# EAGLE board Mk4 Final a Panel score 2x5 (EAGLE 9.0.1), part 10 of 29
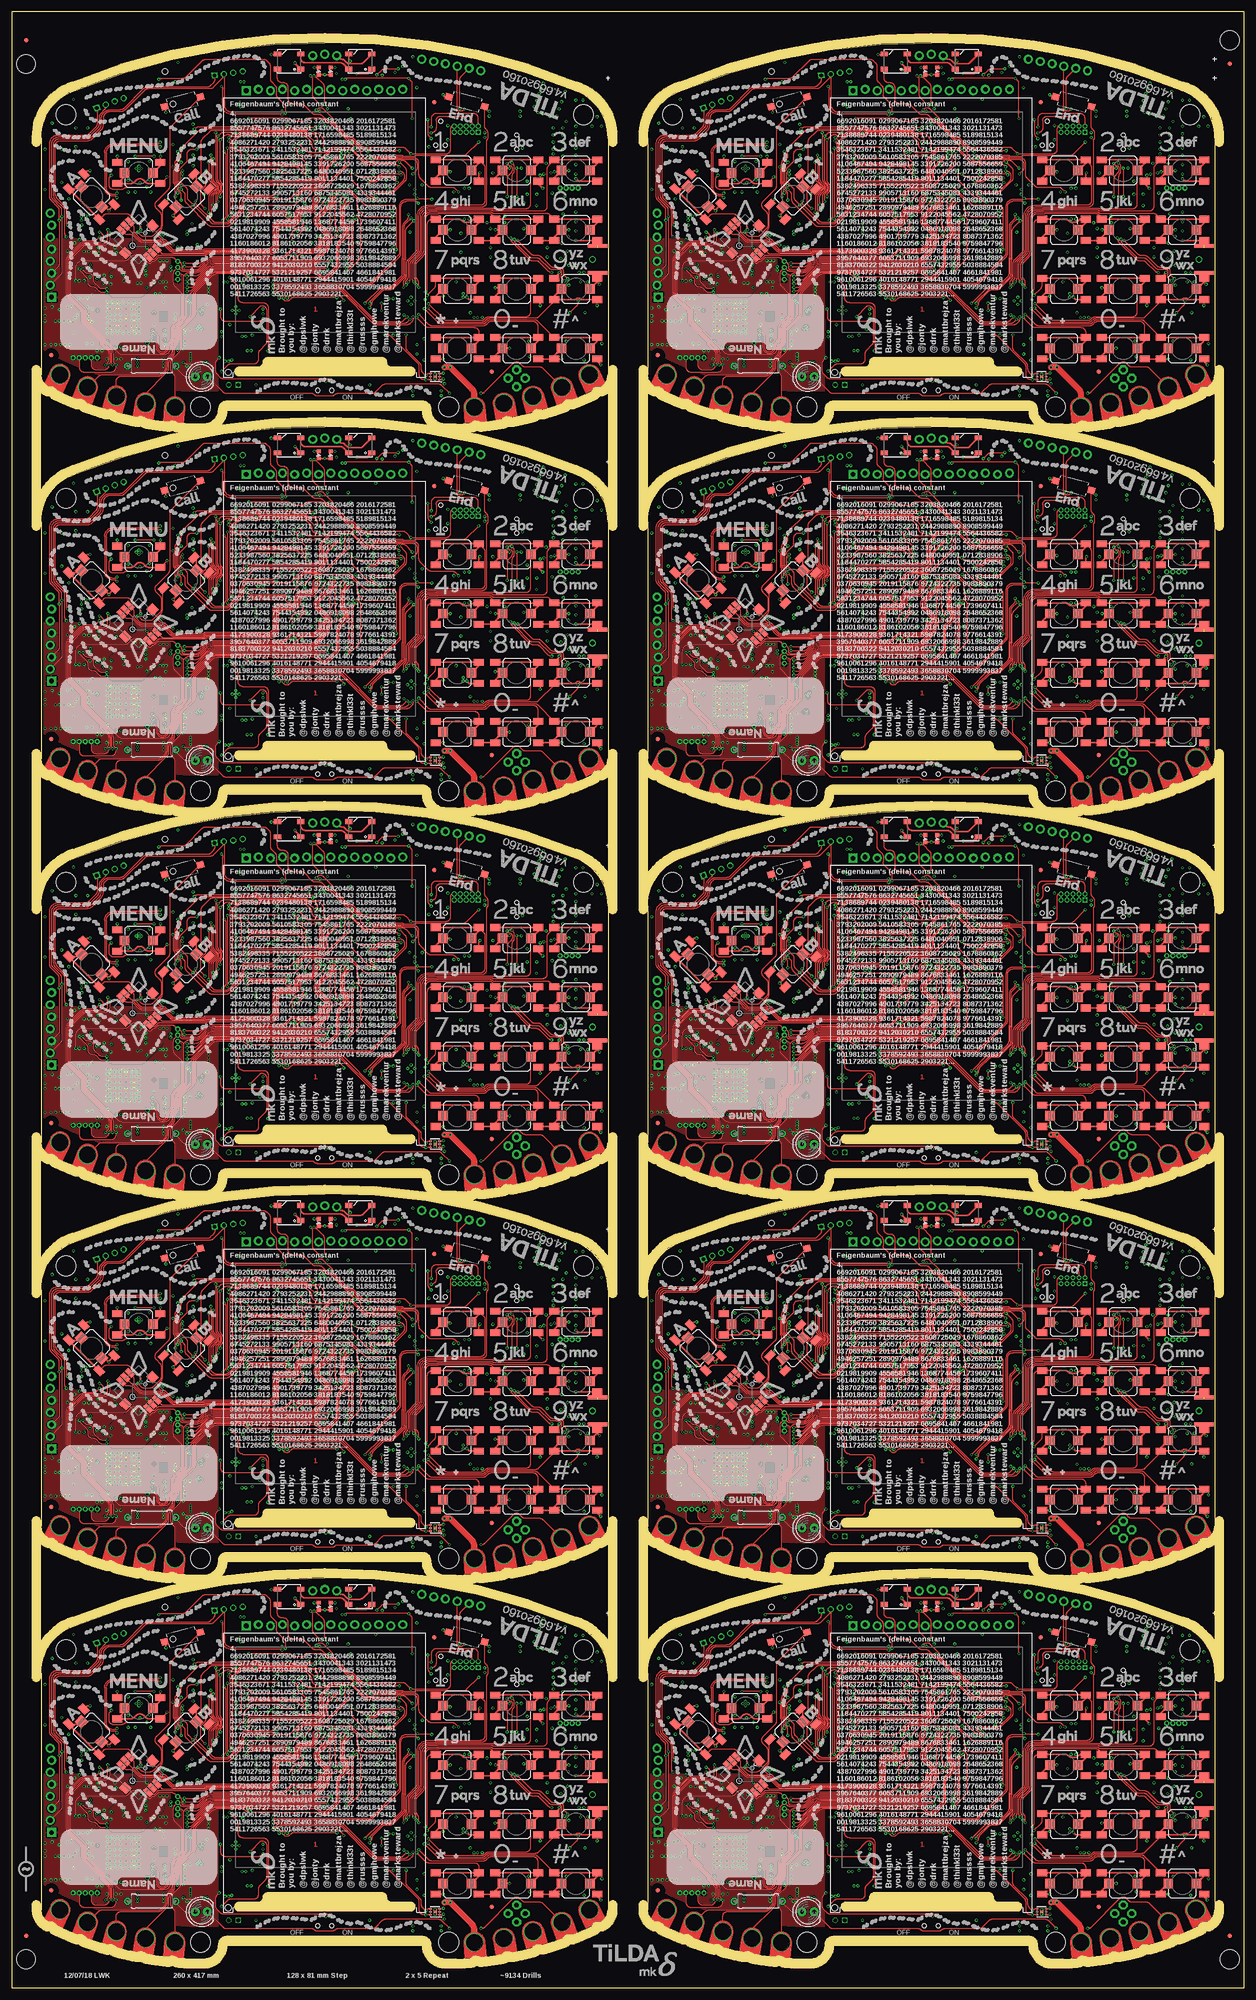
[diagram p0: board, top side]
## Tracks (layer width: path | path; a pad name or v marks a point on that pad's centre or on a via) (continued)
BTN_34  (via drill 0.3) (continued)
  Top 0.2: S54.B1 111.04,108.66 arc45 110.34,108.95 100.95,108.95 arc45 100.25,108.66 100.08,108.49 arc-45 99.38,108.2 90.61,108.2 arc-45 89.91,108.49 v87.05,111.35
  Top 0.3: S54.2 123.26,104.26 arc45 123.55,104.96 S54.B2 S54.B1
  Bottom 0.15: IC49.12 86.65,111.75 v87.05,111.35
BTN_35  (via drill 0.3)
  Top 0.2: S44.B1 88.7,130.25 arc90 87.7,129.25 87.7,118.2 87.7,118 87.7,115.71 arc-45 87.41,115.01 v87.3,114.9
  Top 0.3: S44.2 98.55,129.55 S44.B2 97.76,130.25 arc45 97.06,129.96 96.89,129.8 arc-45 96.54,129.65 95.46,129.65 arc-45 95.11,129.8 94.94,129.96 arc45 94.24,130.25 S44.B1
  Bottom 0.15: IC49.7 86.65,114.25 v87.3,114.9
BTN_36  (via drill 0.3)
  Top 0.2: v87.63,114.17 89.16,115.7 arc45 89.45,116.4 S45.B1
  Top 0.3: S45.2 98.55,117.05 S45.B2 S45.B1
  Bottom 0.15: IC49.8 86.97,113.75 87.02,113.8 arc45 87.43,113.97 v87.63,114.17
BTN_37  (via drill 0.3)
  Top 0.2: S64.B2 227.61,141.69 arc-45 227.9,140.99 227.9,134.25 arc-90 226.9,133.25 217.31,133.25 217.24,133.18 215.8,133.18 arc90 213.55,130.93 213.55,124.09 arc-45 213.26,123.38 211.62,121.74 arc45 211.32,121.04 211.32,118.31 arc-45 211.03,117.61 210.94,117.52 arc45 210.65,116.81 v210.65,115.85
  Top 0.3: S64.2 226.55,142.05 S64.B2 S64.B1
  Bottom 0.15: IC67.1 211,115.42 arc45 210.94,115.56 v210.65,115.85
BTN_38  (via drill 0.3)
  Top 0.2: S68.2 237.5,133.5 arc-90 236.5,132.5 229.49,132.5 229.44,132.55 217.6,132.55 217.53,132.47 216,132.47 arc90 214.25,130.72 214.25,124.01 arc-45 213.81,122.95 212.39,121.53 arc45 212.1,120.82 212.1,117.81 arc-45 211.81,117.11 v211.7,117
  Top 0.3: S68.2 239.05,142.05 S68.B2 S68.B1
  Bottom 0.15: IC67.3 212,116.29 arc45 v211.71,116.99 v211.7,117
BTN_39  (via drill 0.3)
  Top 0.2: S72.B1 241.29,141.59 arc45 241,140.89 241,133 arc-90 240,132 229.57,132 arc-45 229.43,132.06 229.35,132.14 arc45 229.21,132.2 217.75,132.2 217.67,132.12 216.1,132.12 arc90 214.6,130.62 214.6,123.97 arc-45 214.09,122.73 212.79,121.43 arc45 212.5,120.73 212.5,117.71 arc45 v212.79,117.01 v212.8,117
  Top 0.3: S72.2 251.55,142.05 S72.B2 S72.B1
  Bottom 0.15: IC67.4 212.5,116.29 arc-45 v212.79,116.99 v212.8,117
BTN_40  (via drill 0.3)
  Top 0.2: S67.B2 226.55,106.4 arc90 225.55,107.4 215.91,107.4 arc-45 215.21,107.69 v213.4,109.5
  Top 0.3: S67.2 226.55,104.55 S67.B2 S67.B1
  Bottom 0.15: IC67.14 213,110.31 arc45 213.15,109.95 213.26,109.84 arc-45 v213.4,109.5
BTN_41  (via drill 0.3)
  Top 0.2: S69.B1 229.95,130.55 229.29,131.21 arc45 228.59,131.5 218.03,131.5 217.96,131.43 216.35,131.43 arc90 215.35,130.43 215.35,123.93 arc-45 214.69,122.34 213.59,121.24 arc45 213.3,120.54 213.3,118.19 arc45 213.59,117.48 arc-45 213.85,116.86 v213.85,115.85
  Top 0.3: S69.2 239.05,129.55 S69.B2 S69.B1
  Bottom 0.15: IC67.6 213.5,115.29 arc-45 213.65,115.65 v213.85,115.85
BTN_42  (via drill 0.3)
  Top 0.2: S70.2 237.5,110.7 arc-90 236.5,109.7 228.71,109.7 arc45 228.01,109.41 227.79,109.19 arc-45 227.09,108.9 221.7,108.9 219.81,108.9 arc-45 219.11,109.19 v215.9,112.4
  Top 0.3: S70.2 239.05,117.05 S70.B2 S70.B1
  Bottom 0.15: IC67.10 215.01,112.75 215.03,112.72 215.16,112.72 arc-45 215.87,112.43 v215.9,112.4
BTN_43  (via drill 0.3)
  Top 0.2: S71.B2 239.05,107.6 arc90 238.05,108.6 229.11,108.6 arc45 228.41,108.31 228.19,108.09 arc-45 227.49,107.8 216.61,107.8 arc-45 215.91,108.09 v213.85,110.15
  Top 0.3: S71.2 239.05,104.55 S71.B2 S71.B1 | S71.B1 229.75,105.25 229.5,105 229.7,105 S71.B1
  Bottom 0.15: IC67.13 213.5,110.5 v213.85,110.15
BTN_44  (via drill 0.3)
  Top 0.2: S73.B1 241.49,131.21 arc45 240.79,131.5 229.58,131.5 arc-45 229.44,131.56 arc45 228.73,131.85 217.89,131.85 217.81,131.78 216.25,131.78 arc90 215,130.53 215,123.97 arc-45 214.41,122.56 213.19,121.34 arc45 212.9,120.63 212.9,118.09 arc45 213.19,117.39 arc-45 213.35,117.01 213.35,116.77 213.3,116.72 v213.3,116.4
  Top 0.3: S73.2 251.55,129.55 S73.B2 S73.B1
  Bottom 0.15: IC67.5 213,115.69 arc-45 v213.29,116.39 v213.3,116.4
BTN_45  (via drill 0.3)
  Top 0.2: v215.8,111.5 218.46,108.84 arc45 219.16,108.55 227.23,108.55 arc45 227.94,108.84 228.1,109.01 arc-45 228.81,109.3 238.39,109.3 arc45 239.09,109.59 242.45,112.95 S74.B2
  Top 0.3: S74.2 242.45,113.95 S74.B2 246.9,113.25 247.25,113.6 247.75,113.6 248.1,113.25 S74.B1
  Bottom 0.15: IC67.11 214.64,112.25 arc-45 215.34,111.96 v215.8,111.5
BTN_46  (via drill 0.3)
  Top 0.2: S75.B1 239.04,108.66 arc45 238.34,108.95 228.95,108.95 arc45 228.25,108.66 228.08,108.49 arc-45 227.38,108.2 218.61,108.2 arc-45 217.91,108.49 v215.05,111.35
  Top 0.3: S75.2 251.26,104.26 arc45 251.55,104.96 S75.B2 S75.B1
  Bottom 0.15: IC67.12 214.65,111.75 v215.05,111.35
BTN_47  (via drill 0.3)
  Top 0.2: S65.B1 216.7,130.25 arc90 215.7,129.25 215.7,118.2 215.7,118 215.7,115.71 arc-45 215.41,115.01 v215.3,114.9
  Top 0.3: S65.2 226.55,129.55 S65.B2 225.76,130.25 arc45 225.06,129.96 224.9,129.8 arc-45 224.54,129.65 223.46,129.65 arc-45 223.1,129.8 222.94,129.96 arc45 222.24,130.25 S65.B1
  Bottom 0.15: IC67.7 214.65,114.25 v215.3,114.9
BTN_48  (via drill 0.3)
  Top 0.2: v215.63,114.17 217.16,115.7 arc45 217.45,116.4 S66.B1
  Top 0.3: S66.2 226.55,117.05 S66.B2 S66.B1
  Bottom 0.15: IC67.8 214.97,113.75 215.02,113.8 arc45 215.43,113.97 v215.63,114.17
BTN_49  (via drill 0.3)
  Top 0.2: S85.B2 99.61,222.69 arc-45 99.9,221.99 99.9,215.25 arc-90 98.9,214.25 89.31,214.25 89.23,214.18 87.8,214.18 arc90 85.55,211.93 85.55,205.09 arc-45 85.26,204.38 83.62,202.74 arc45 83.33,202.04 83.33,199.31 arc-45 83.03,198.6 82.94,198.52 arc45 82.65,197.81 v82.65,196.85
  Top 0.3: S85.2 98.55,223.05 S85.B2 S85.B1
  Bottom 0.15: IC85.1 83,196.42 arc45 82.94,196.56 v82.65,196.85
BTN_50  (via drill 0.3)
  Top 0.2: S89.2 109.5,214.5 arc-90 108.5,213.5 101.48,213.5 101.44,213.55 89.6,213.55 89.53,213.47 88,213.47 arc90 86.25,211.72 86.25,205.01 arc-45 85.81,203.95 84.39,202.53 arc45 84.1,201.82 84.1,198.81 arc-45 83.81,198.11 v83.7,198
  Top 0.3: S89.2 111.05,223.05 S89.B2 S89.B1
  Bottom 0.15: IC85.3 84,197.29 arc45 v83.71,197.99 v83.7,198
BTN_51  (via drill 0.3)
  Top 0.2: S93.B1 113.29,222.59 arc45 113,221.89 113,214 arc-90 112,213 101.57,213 arc-45 101.43,213.06 101.35,213.14 arc45 101.21,213.2 89.75,213.2 89.67,213.12 88.1,213.12 arc90 86.6,211.62 86.6,204.97 arc-45 86.09,203.73 84.79,202.43 arc45 84.5,201.73 84.5,198.71 arc45 v84.79,198.01 v84.8,198
  Top 0.3: S93.2 123.55,223.05 S93.B2 S93.B1
  Bottom 0.15: IC85.4 84.5,197.29 arc-45 v84.79,197.99 v84.8,198
BTN_52  (via drill 0.3)
  Top 0.2: S88.B2 98.55,187.4 arc90 97.55,188.4 87.91,188.4 arc-45 87.21,188.69 v85.4,190.5
  Top 0.3: S88.2 98.55,185.55 S88.B2 S88.B1
  Bottom 0.15: IC85.14 85,191.31 arc45 85.15,190.95 85.26,190.84 arc-45 v85.4,190.5
BTN_53  (via drill 0.3)
  Top 0.2: S90.B1 101.95,211.55 101.29,212.21 arc45 100.59,212.5 90.03,212.5 89.96,212.43 88.35,212.43 arc90 87.35,211.43 87.35,204.93 arc-45 86.69,203.34 85.59,202.24 arc45 85.3,201.54 85.3,199.19 arc45 85.59,198.48 arc-45 85.85,197.86 v85.85,196.85
  Top 0.3: S90.2 111.05,210.55 S90.B2 S90.B1
  Bottom 0.15: IC85.6 85.5,196.29 arc-45 85.65,196.65 v85.85,196.85
BTN_54  (via drill 0.3)
  Top 0.2: S91.2 109.5,191.7 arc-90 108.5,190.7 100.71,190.7 arc45 100.01,190.41 99.79,190.19 arc-45 99.09,189.9 93.7,189.9 91.81,189.9 arc-45 91.11,190.19 v87.9,193.4
  Top 0.3: S91.2 111.05,198.05 S91.B2 S91.B1
  Bottom 0.15: IC85.10 87.01,193.75 87.03,193.72 87.16,193.72 arc-45 87.87,193.43 v87.9,193.4
BTN_55  (via drill 0.3)
  Top 0.2: S92.B2 111.05,188.6 arc90 110.05,189.6 101.11,189.6 arc45 100.41,189.31 100.19,189.09 arc-45 99.49,188.8 88.61,188.8 arc-45 87.91,189.09 v85.85,191.15
  Top 0.3: S92.2 111.05,185.55 S92.B2 S92.B1 | S92.B1 101.75,186.25 101.5,186 101.7,186 S92.B1
  Bottom 0.15: IC85.13 85.5,191.5 v85.85,191.15
BTN_56  (via drill 0.3)
  Top 0.2: S94.B1 113.49,212.21 arc45 112.79,212.5 101.58,212.5 arc-45 101.44,212.56 arc45 100.73,212.85 89.89,212.85 89.81,212.78 88.25,212.78 arc90 87,211.53 87,204.97 arc-45 86.41,203.56 85.19,202.34 arc45 84.9,201.63 84.9,199.09 arc45 85.19,198.38 arc-45 85.35,198.01 85.35,197.77 85.3,197.72 v85.3,197.4
  Top 0.3: S94.2 123.55,210.55 S94.B2 S94.B1
  Bottom 0.15: IC85.5 85,196.69 arc-45 v85.29,197.39 v85.3,197.4
BTN_57  (via drill 0.3)
  Top 0.2: v87.8,192.5 90.46,189.84 arc45 91.16,189.55 99.23,189.55 arc45 99.94,189.84 100.1,190.01 arc-45 100.81,190.3 110.39,190.3 arc45 111.09,190.59 114.45,193.95 S95.B2
  Top 0.3: S95.2 114.45,194.95 S95.B2 118.9,194.25 119.25,194.6 119.75,194.6 120.1,194.25 S95.B1
  Bottom 0.15: IC85.11 86.64,193.25 arc-45 87.34,192.96 v87.8,192.5
BTN_58  (via drill 0.3)
  Top 0.2: S96.B1 111.04,189.66 arc45 110.34,189.95 100.95,189.95 arc45 100.25,189.66 100.08,189.49 arc-45 99.38,189.2 90.61,189.2 arc-45 89.91,189.49 v87.05,192.35
  Top 0.3: S96.2 123.26,185.26 arc45 123.55,185.96 S96.B2 S96.B1
  Bottom 0.15: IC85.12 86.65,192.75 v87.05,192.35
BTN_59  (via drill 0.3)
  Top 0.2: S86.B1 88.7,211.25 arc90 87.7,210.25 87.7,199.2 87.7,199 87.7,196.71 arc-45 87.41,196.01 v87.3,195.9
  Top 0.3: S86.2 98.55,210.55 S86.B2 97.76,211.25 arc45 97.06,210.96 96.89,210.8 arc-45 96.54,210.65 95.46,210.65 arc-45 95.11,210.8 94.94,210.96 arc45 94.24,211.25 S86.B1
  Bottom 0.15: IC85.7 86.65,195.25 v87.3,195.9
BTN_60  (via drill 0.3)
  Top 0.2: v87.63,195.17 89.16,196.7 arc45 89.45,197.4 S87.B1
  Top 0.3: S87.2 98.55,198.05 S87.B2 S87.B1
  Bottom 0.15: IC85.8 86.97,194.75 87.02,194.8 arc45 87.43,194.97 v87.63,195.17
BTN_61  (via drill 0.3)
  Top 0.2: S106.B2 227.61,222.69 arc-45 227.9,221.99 227.9,215.25 arc-90 226.9,214.25 217.31,214.25 217.24,214.18 215.8,214.18 arc90 213.55,211.93 213.55,205.09 arc-45 213.26,204.38 211.62,202.74 arc45 211.32,202.04 211.32,199.31 arc-45 211.03,198.6 210.94,198.52 arc45 210.65,197.81 v210.65,196.85
  Top 0.3: S106.2 226.55,223.05 S106.B2 S106.B1
  Bottom 0.15: IC103.1 211,196.42 arc45 210.94,196.56 v210.65,196.85
BTN_62  (via drill 0.3)
  Top 0.2: S110.2 237.5,214.5 arc-90 236.5,213.5 229.49,213.5 229.44,213.55 217.6,213.55 217.53,213.47 216,213.47 arc90 214.25,211.72 214.25,205.01 arc-45 213.81,203.95 212.39,202.53 arc45 212.1,201.82 212.1,198.81 arc-45 211.81,198.11 v211.7,198
  Top 0.3: S110.2 239.05,223.05 S110.B2 S110.B1
  Bottom 0.15: IC103.3 212,197.29 arc45 v211.71,197.99 v211.7,198
BTN_63  (via drill 0.3)
  Top 0.2: S114.B1 241.29,222.59 arc45 241,221.89 241,214 arc-90 240,213 229.57,213 arc-45 229.43,213.06 229.35,213.14 arc45 229.21,213.2 217.75,213.2 217.67,213.12 216.1,213.12 arc90 214.6,211.62 214.6,204.97 arc-45 214.09,203.73 212.79,202.43 arc45 212.5,201.73 212.5,198.71 arc45 v212.79,198.01 v212.8,198
  Top 0.3: S114.2 251.55,223.05 S114.B2 S114.B1
  Bottom 0.15: IC103.4 212.5,197.29 arc-45 v212.79,197.99 v212.8,198
BTN_64  (via drill 0.3)
  Top 0.2: S109.B2 226.55,187.4 arc90 225.55,188.4 215.91,188.4 arc-45 215.21,188.69 v213.4,190.5
  Top 0.3: S109.2 226.55,185.55 S109.B2 S109.B1
  Bottom 0.15: IC103.14 213,191.31 arc45 213.15,190.95 213.26,190.84 arc-45 v213.4,190.5
BTN_65  (via drill 0.3)
  Top 0.2: S111.B1 229.95,211.55 229.29,212.21 arc45 228.59,212.5 218.03,212.5 217.96,212.43 216.35,212.43 arc90 215.35,211.43 215.35,204.93 arc-45 214.69,203.34 213.59,202.24 arc45 213.3,201.54 213.3,199.19 arc45 213.59,198.48 arc-45 213.85,197.86 v213.85,196.85
  Top 0.3: S111.2 239.05,210.55 S111.B2 S111.B1
  Bottom 0.15: IC103.6 213.5,196.29 arc-45 213.65,196.65 v213.85,196.85
BTN_66  (via drill 0.3)
  Top 0.2: S112.2 237.5,191.7 arc-90 236.5,190.7 228.71,190.7 arc45 228.01,190.41 227.79,190.19 arc-45 227.09,189.9 221.7,189.9 219.81,189.9 arc-45 219.11,190.19 v215.9,193.4
  Top 0.3: S112.2 239.05,198.05 S112.B2 S112.B1
  Bottom 0.15: IC103.10 215.01,193.75 215.03,193.72 215.16,193.72 arc-45 215.87,193.43 v215.9,193.4
BTN_67  (via drill 0.3)
  Top 0.2: S113.B2 239.05,188.6 arc90 238.05,189.6 229.11,189.6 arc45 228.41,189.31 228.19,189.09 arc-45 227.49,188.8 216.61,188.8 arc-45 215.91,189.09 v213.85,191.15
  Top 0.3: S113.2 239.05,185.55 S113.B2 S113.B1 | S113.B1 229.75,186.25 229.5,186 229.7,186 S113.B1
  Bottom 0.15: IC103.13 213.5,191.5 v213.85,191.15
BTN_68  (via drill 0.3)
  Top 0.2: S115.B1 241.49,212.21 arc45 240.79,212.5 229.58,212.5 arc-45 229.44,212.56 arc45 228.73,212.85 217.89,212.85 217.81,212.78 216.25,212.78 arc90 215,211.53 215,204.97 arc-45 214.41,203.56 213.19,202.34 arc45 212.9,201.63 212.9,199.09 arc45 213.19,198.38 arc-45 213.35,198.01 213.35,197.77 213.3,197.72 v213.3,197.4
  Top 0.3: S115.2 251.55,210.55 S115.B2 S115.B1
  Bottom 0.15: IC103.5 213,196.69 arc-45 v213.29,197.39 v213.3,197.4
BTN_69  (via drill 0.3)
  Top 0.2: v215.8,192.5 218.46,189.84 arc45 219.16,189.55 227.23,189.55 arc45 227.94,189.84 228.1,190.01 arc-45 228.81,190.3 238.39,190.3 arc45 239.09,190.59 242.45,193.95 S116.B2
  Top 0.3: S116.2 242.45,194.95 S116.B2 246.9,194.25 247.25,194.6 247.75,194.6 248.1,194.25 S116.B1
  Bottom 0.15: IC103.11 214.64,193.25 arc-45 215.34,192.96 v215.8,192.5
BTN_70  (via drill 0.3)
  Top 0.2: S117.B1 239.04,189.66 arc45 238.34,189.95 228.95,189.95 arc45 228.25,189.66 228.08,189.49 arc-45 227.38,189.2 218.61,189.2 arc-45 217.91,189.49 v215.05,192.35
  Top 0.3: S117.2 251.26,185.26 arc45 251.55,185.96 S117.B2 S117.B1
  Bottom 0.15: IC103.12 214.65,192.75 v215.05,192.35
BTN_71  (via drill 0.3)
  Top 0.2: S107.B1 216.7,211.25 arc90 215.7,210.25 215.7,199.2 215.7,199 215.7,196.71 arc-45 215.41,196.01 v215.3,195.9
  Top 0.3: S107.2 226.55,210.55 S107.B2 225.76,211.25 arc45 225.06,210.96 224.9,210.8 arc-45 224.54,210.65 223.46,210.65 arc-45 223.1,210.8 222.94,210.96 arc45 222.24,211.25 S107.B1
  Bottom 0.15: IC103.7 214.65,195.25 v215.3,195.9
BTN_72  (via drill 0.3)
  Top 0.2: v215.63,195.17 217.16,196.7 arc45 217.45,197.4 S108.B1
  Top 0.3: S108.2 226.55,198.05 S108.B2 S108.B1
  Bottom 0.15: IC103.8 214.97,194.75 215.02,194.8 arc45 215.43,194.97 v215.63,195.17
BTN_73  (via drill 0.3)
  Top 0.2: S127.B2 99.61,303.69 arc-45 99.9,302.99 99.9,296.25 arc-90 98.9,295.25 89.31,295.25 89.23,295.18 87.8,295.18 arc90 85.55,292.93 85.55,286.09 arc-45 85.26,285.38 83.62,283.74 arc45 83.33,283.04 83.33,280.31 arc-45 83.03,279.61 82.94,279.52 arc45 82.65,278.81 v82.65,277.85
  Top 0.3: S127.2 98.55,304.05 S127.B2 S127.B1
  Bottom 0.15: IC121.1 83,277.42 arc45 82.94,277.56 v82.65,277.85
BTN_74  (via drill 0.3)
  Top 0.2: S131.2 109.5,295.5 arc-90 108.5,294.5 101.48,294.5 101.44,294.55 89.6,294.55 89.53,294.48 88,294.48 arc90 86.25,292.73 86.25,286.01 arc-45 85.81,284.95 84.39,283.53 arc45 84.1,282.82 84.1,279.81 arc-45 83.81,279.11 v83.7,279
  Top 0.3: S131.2 111.05,304.05 S131.B2 S131.B1
  Bottom 0.15: IC121.3 84,278.29 arc45 v83.71,278.99 v83.7,279
BTN_75  (via drill 0.3)
  Top 0.2: S135.B1 113.29,303.59 arc45 113,302.89 113,295 arc-90 112,294 101.57,294 arc-45 101.43,294.06 101.35,294.14 arc45 101.21,294.2 89.75,294.2 89.67,294.12 88.1,294.12 arc90 86.6,292.62 86.6,285.96 arc-45 86.09,284.73 84.79,283.43 arc45 84.5,282.73 84.5,279.71 arc45 v84.79,279.01 v84.8,279
  Top 0.3: S135.2 123.55,304.05 S135.B2 S135.B1
  Bottom 0.15: IC121.4 84.5,278.29 arc-45 v84.79,278.99 v84.8,279
BTN_76  (via drill 0.3)
  Top 0.2: S130.B2 98.55,268.4 arc90 97.55,269.4 87.91,269.4 arc-45 87.21,269.69 v85.4,271.5
  Top 0.3: S130.2 98.55,266.55 S130.B2 S130.B1
  Bottom 0.15: IC121.14 85,272.31 arc45 85.15,271.95 85.26,271.84 arc-45 v85.4,271.5
BTN_77  (via drill 0.3)
  Top 0.2: S132.B1 101.95,292.55 101.29,293.21 arc45 100.59,293.5 90.03,293.5 89.96,293.43 88.35,293.43 arc90 87.35,292.43 87.35,285.93 arc-45 86.69,284.34 85.59,283.24 arc45 85.3,282.54 85.3,280.19 arc45 85.59,279.48 arc-45 85.85,278.86 v85.85,277.85
  Top 0.3: S132.2 111.05,291.55 S132.B2 S132.B1
  Bottom 0.15: IC121.6 85.5,277.29 arc-45 85.65,277.65 v85.85,277.85
BTN_78  (via drill 0.3)
  Top 0.2: S133.2 109.5,272.7 arc-90 108.5,271.7 100.71,271.7 arc45 100.01,271.41 99.79,271.19 arc-45 99.09,270.9 93.7,270.9 91.81,270.9 arc-45 91.11,271.19 v87.9,274.4
  Top 0.3: S133.2 111.05,279.05 S133.B2 S133.B1
  Bottom 0.15: IC121.10 87.01,274.75 87.03,274.73 87.16,274.73 arc-45 87.87,274.43 v87.9,274.4
BTN_79  (via drill 0.3)
  Top 0.2: S134.B2 111.05,269.6 arc90 110.05,270.6 101.11,270.6 arc45 100.41,270.31 100.19,270.09 arc-45 99.49,269.8 88.61,269.8 arc-45 87.91,270.09 v85.85,272.15
  Top 0.3: S134.2 111.05,266.55 S134.B2 S134.B1 | S134.B1 101.75,267.25 101.5,267 101.7,267 S134.B1
  Bottom 0.15: IC121.13 85.5,272.5 v85.85,272.15
BTN_80  (via drill 0.3)
  Top 0.2: S136.B1 113.49,293.21 arc45 112.79,293.5 101.58,293.5 arc-45 101.44,293.56 arc45 100.73,293.85 89.89,293.85 89.81,293.77 88.25,293.77 arc90 87,292.52 87,285.97 arc-45 86.41,284.56 85.19,283.34 arc45 84.9,282.63 84.9,280.09 arc45 85.19,279.38 arc-45 85.35,279.01 85.35,278.77 85.3,278.72 v85.3,278.4
  Top 0.3: S136.2 123.55,291.55 S136.B2 S136.B1
  Bottom 0.15: IC121.5 85,277.69 arc-45 v85.29,278.39 v85.3,278.4
BTN_81  (via drill 0.3)
  Top 0.2: v87.8,273.5 90.46,270.84 arc45 91.16,270.55 99.23,270.55 arc45 99.94,270.84 100.1,271.01 arc-45 100.81,271.3 110.39,271.3 arc45 111.09,271.59 114.45,274.95 S137.B2
  Top 0.3: S137.2 114.45,275.95 S137.B2 118.9,275.25 119.25,275.6 119.75,275.6 120.1,275.25 S137.B1
  Bottom 0.15: IC121.11 86.64,274.25 arc-45 87.34,273.96 v87.8,273.5
BTN_82  (via drill 0.3)
  Top 0.2: S138.B1 111.04,270.66 arc45 110.34,270.95 100.95,270.95 arc45 100.25,270.66 100.08,270.49 arc-45 99.38,270.2 90.61,270.2 arc-45 89.91,270.49 v87.05,273.35
  Top 0.3: S138.2 123.26,266.26 arc45 123.55,266.96 S138.B2 S138.B1
  Bottom 0.15: IC121.12 86.65,273.75 v87.05,273.35
BTN_83  (via drill 0.3)
  Top 0.2: S128.B1 88.7,292.25 arc90 87.7,291.25 87.7,280.2 87.7,280 87.7,277.71 arc-45 87.41,277.01 v87.3,276.9
  Top 0.3: S128.2 98.55,291.55 S128.B2 97.76,292.25 arc45 97.06,291.96 96.89,291.8 arc-45 96.54,291.65 95.46,291.65 arc-45 95.11,291.8 94.94,291.96 arc45 94.24,292.25 S128.B1
  Bottom 0.15: IC121.7 86.65,276.25 v87.3,276.9
BTN_84  (via drill 0.3)
  Top 0.2: v87.63,276.17 89.16,277.7 arc45 89.45,278.4 S129.B1
  Top 0.3: S129.2 98.55,279.05 S129.B2 S129.B1
  Bottom 0.15: IC121.8 86.97,275.75 87.02,275.8 arc45 87.43,275.97 v87.63,276.17
BTN_85  (via drill 0.3)
  Top 0.2: S148.B2 227.61,303.69 arc-45 227.9,302.99 227.9,296.25 arc-90 226.9,295.25 217.31,295.25 217.24,295.18 215.8,295.18 arc90 213.55,292.93 213.55,286.09 arc-45 213.26,285.38 211.62,283.74 arc45 211.32,283.04 211.32,280.31 arc-45 211.03,279.61 210.94,279.52 arc45 210.65,278.81 v210.65,277.85
  Top 0.3: S148.2 226.55,304.05 S148.B2 S148.B1
  Bottom 0.15: IC139.1 211,277.42 arc45 210.94,277.56 v210.65,277.85
BTN_86  (via drill 0.3)
  Top 0.2: S152.2 237.5,295.5 arc-90 236.5,294.5 229.49,294.5 229.44,294.55 217.6,294.55 217.53,294.48 216,294.48 arc90 214.25,292.73 214.25,286.01 arc-45 213.81,284.95 212.39,283.53 arc45 212.1,282.82 212.1,279.81 arc-45 211.81,279.11 v211.7,279
  Top 0.3: S152.2 239.05,304.05 S152.B2 S152.B1
  Bottom 0.15: IC139.3 212,278.29 arc45 v211.71,278.99 v211.7,279
BTN_87  (via drill 0.3)
  Top 0.2: S156.B1 241.29,303.59 arc45 241,302.89 241,295 arc-90 240,294 229.57,294 arc-45 229.43,294.06 229.35,294.14 arc45 229.21,294.2 217.75,294.2 217.67,294.12 216.1,294.12 arc90 214.6,292.62 214.6,285.96 arc-45 214.09,284.73 212.79,283.43 arc45 212.5,282.73 212.5,279.71 arc45 v212.79,279.01 v212.8,279
  Top 0.3: S156.2 251.55,304.05 S156.B2 S156.B1
  Bottom 0.15: IC139.4 212.5,278.29 arc-45 v212.79,278.99 v212.8,279
BTN_88  (via drill 0.3)
  Top 0.2: S151.B2 226.55,268.4 arc90 225.55,269.4 215.91,269.4 arc-45 215.21,269.69 v213.4,271.5
  Top 0.3: S151.2 226.55,266.55 S151.B2 S151.B1
  Bottom 0.15: IC139.14 213,272.31 arc45 213.15,271.95 213.26,271.84 arc-45 v213.4,271.5
BTN_89  (via drill 0.3)
  Top 0.2: S153.B1 229.95,292.55 229.29,293.21 arc45 228.59,293.5 218.03,293.5 217.96,293.43 216.35,293.43 arc90 215.35,292.43 215.35,285.93 arc-45 214.69,284.34 213.59,283.24 arc45 213.3,282.54 213.3,280.19 arc45 213.59,279.48 arc-45 213.85,278.86 v213.85,277.85
  Top 0.3: S153.2 239.05,291.55 S153.B2 S153.B1
  Bottom 0.15: IC139.6 213.5,277.29 arc-45 213.65,277.65 v213.85,277.85
BTN_90  (via drill 0.3)
  Top 0.2: S154.2 237.5,272.7 arc-90 236.5,271.7 228.71,271.7 arc45 228.01,271.41 227.79,271.19 arc-45 227.09,270.9 221.7,270.9 219.81,270.9 arc-45 219.11,271.19 v215.9,274.4
  Top 0.3: S154.2 239.05,279.05 S154.B2 S154.B1
  Bottom 0.15: IC139.10 215.01,274.75 215.03,274.73 215.16,274.73 arc-45 215.87,274.43 v215.9,274.4
BTN_91  (via drill 0.3)
  Top 0.2: S155.B2 239.05,269.6 arc90 238.05,270.6 229.11,270.6 arc45 228.41,270.31 228.19,270.09 arc-45 227.49,269.8 216.61,269.8 arc-45 215.91,270.09 v213.85,272.15
  Top 0.3: S155.2 239.05,266.55 S155.B2 S155.B1 | S155.B1 229.75,267.25 229.5,267 229.7,267 S155.B1
  Bottom 0.15: IC139.13 213.5,272.5 v213.85,272.15
BTN_92  (via drill 0.3)
  Top 0.2: S157.B1 241.49,293.21 arc45 240.79,293.5 229.58,293.5 arc-45 229.44,293.56 arc45 228.73,293.85 217.89,293.85 217.81,293.77 216.25,293.77 arc90 215,292.52 215,285.97 arc-45 214.41,284.56 213.19,283.34 arc45 212.9,282.63 212.9,280.09 arc45 213.19,279.38 arc-45 213.35,279.01 213.35,278.77 213.3,278.72 v213.3,278.4
  Top 0.3: S157.2 251.55,291.55 S157.B2 S157.B1
  Bottom 0.15: IC139.5 213,277.69 arc-45 v213.29,278.39 v213.3,278.4
BTN_93  (via drill 0.3)
  Top 0.2: v215.8,273.5 218.46,270.84 arc45 219.16,270.55 227.23,270.55 arc45 227.94,270.84 228.1,271.01 arc-45 228.81,271.3 238.39,271.3 arc45 239.09,271.59 242.45,274.95 S158.B2
  Top 0.3: S158.2 242.45,275.95 S158.B2 246.9,275.25 247.25,275.6 247.75,275.6 248.1,275.25 S158.B1
  Bottom 0.15: IC139.11 214.64,274.25 arc-45 215.34,273.96 v215.8,273.5
BTN_94  (via drill 0.3)
  Top 0.2: S159.B1 239.04,270.66 arc45 238.34,270.95 228.95,270.95 arc45 228.25,270.66 228.08,270.49 arc-45 227.38,270.2 218.61,270.2 arc-45 217.91,270.49 v215.05,273.35
  Top 0.3: S159.2 251.26,266.26 arc45 251.55,266.96 S159.B2 S159.B1
  Bottom 0.15: IC139.12 214.65,273.75 v215.05,273.35
BTN_95  (via drill 0.3)
  Top 0.2: S149.B1 216.7,292.25 arc90 215.7,291.25 215.7,280.2 215.7,280 215.7,277.71 arc-45 215.41,277.01 v215.3,276.9
  Top 0.3: S149.2 226.55,291.55 S149.B2 225.76,292.25 arc45 225.06,291.96 224.9,291.8 arc-45 224.54,291.65 223.46,291.65 arc-45 223.1,291.8 222.94,291.96 arc45 222.24,292.25 S149.B1
  Bottom 0.15: IC139.7 214.65,276.25 v215.3,276.9
BTN_96  (via drill 0.3)
  Top 0.2: v215.63,276.17 217.16,277.7 arc45 217.45,278.4 S150.B1
  Top 0.3: S150.2 226.55,279.05 S150.B2 S150.B1
  Bottom 0.15: IC139.8 214.97,275.75 215.02,275.8 arc45 215.43,275.97 v215.63,276.17
BTN_97  (via drill 0.3)
  Top 0.2: S169.B2 99.61,384.69 arc-45 99.9,383.99 99.9,377.25 arc-90 98.9,376.25 89.31,376.25 89.23,376.18 87.8,376.18 arc90 85.55,373.93 85.55,367.09 arc-45 85.26,366.38 83.62,364.74 arc45 83.33,364.04 83.33,361.31 arc-45 83.03,360.61 82.94,360.52 arc45 82.65,359.81 v82.65,358.85
  Top 0.3: S169.2 98.55,385.05 S169.B2 S169.B1
  Bottom 0.15: IC157.1 83,358.42 arc45 82.94,358.56 v82.65,358.85
BTN_98  (via drill 0.3)
  Top 0.2: S173.2 109.5,376.5 arc-90 108.5,375.5 101.48,375.5 101.44,375.55 89.6,375.55 89.53,375.48 88,375.48 arc90 86.25,373.73 86.25,367.01 arc-45 85.81,365.95 84.39,364.53 arc45 84.1,363.82 84.1,360.81 arc-45 83.81,360.11 v83.7,360
  Top 0.3: S173.2 111.05,385.05 S173.B2 S173.B1
  Bottom 0.15: IC157.3 84,359.29 arc45 v83.71,359.99 v83.7,360
BTN_99  (via drill 0.3)
  Top 0.2: S177.B1 113.29,384.59 arc45 113,383.89 113,376 arc-90 112,375 101.57,375 arc-45 101.43,375.06 101.35,375.14 arc45 101.21,375.2 89.75,375.2 89.67,375.12 88.1,375.12 arc90 86.6,373.62 86.6,366.96 arc-45 86.09,365.73 84.79,364.43 arc45 84.5,363.73 84.5,360.71 arc45 v84.79,360.01 v84.8,360
  Top 0.3: S177.2 123.55,385.05 S177.B2 S177.B1
  Bottom 0.15: IC157.4 84.5,359.29 arc-45 v84.79,359.99 v84.8,360
BTN_100  (via drill 0.3)
  Top 0.2: S172.B2 98.55,349.4 arc90 97.55,350.4 87.91,350.4 arc-45 87.21,350.69 v85.4,352.5
  Top 0.3: S172.2 98.55,347.55 S172.B2 S172.B1
  Bottom 0.15: IC157.14 85,353.31 arc45 85.15,352.95 85.26,352.84 arc-45 v85.4,352.5
BTN_101  (via drill 0.3)
  Top 0.2: S174.B1 101.95,373.55 101.29,374.21 arc45 100.59,374.5 90.03,374.5 89.96,374.43 88.35,374.43 arc90 87.35,373.43 87.35,366.93 arc-45 86.69,365.34 85.59,364.24 arc45 85.3,363.54 85.3,361.19 arc45 85.59,360.48 arc-45 85.85,359.86 v85.85,358.85
  Top 0.3: S174.2 111.05,372.55 S174.B2 S174.B1
  Bottom 0.15: IC157.6 85.5,358.29 arc-45 85.65,358.65 v85.85,358.85
BTN_102  (via drill 0.3)
  Top 0.2: S175.2 109.5,353.7 arc-90 108.5,352.7 100.71,352.7 arc45 100.01,352.41 99.79,352.19 arc-45 99.09,351.9 93.7,351.9 91.81,351.9 arc-45 91.11,352.19 v87.9,355.4
  Top 0.3: S175.2 111.05,360.05 S175.B2 S175.B1
  Bottom 0.15: IC157.10 87.01,355.75 87.03,355.73 87.16,355.73 arc-45 87.87,355.43 v87.9,355.4
BTN_103  (via drill 0.3)
  Top 0.2: S176.B2 111.05,350.6 arc90 110.05,351.6 101.11,351.6 arc45 100.41,351.31 100.19,351.09 arc-45 99.49,350.8 88.61,350.8 arc-45 87.91,351.09 v85.85,353.15